# KiCad board Smart LED WS2812B Ring7.kicad_pcb (continued)
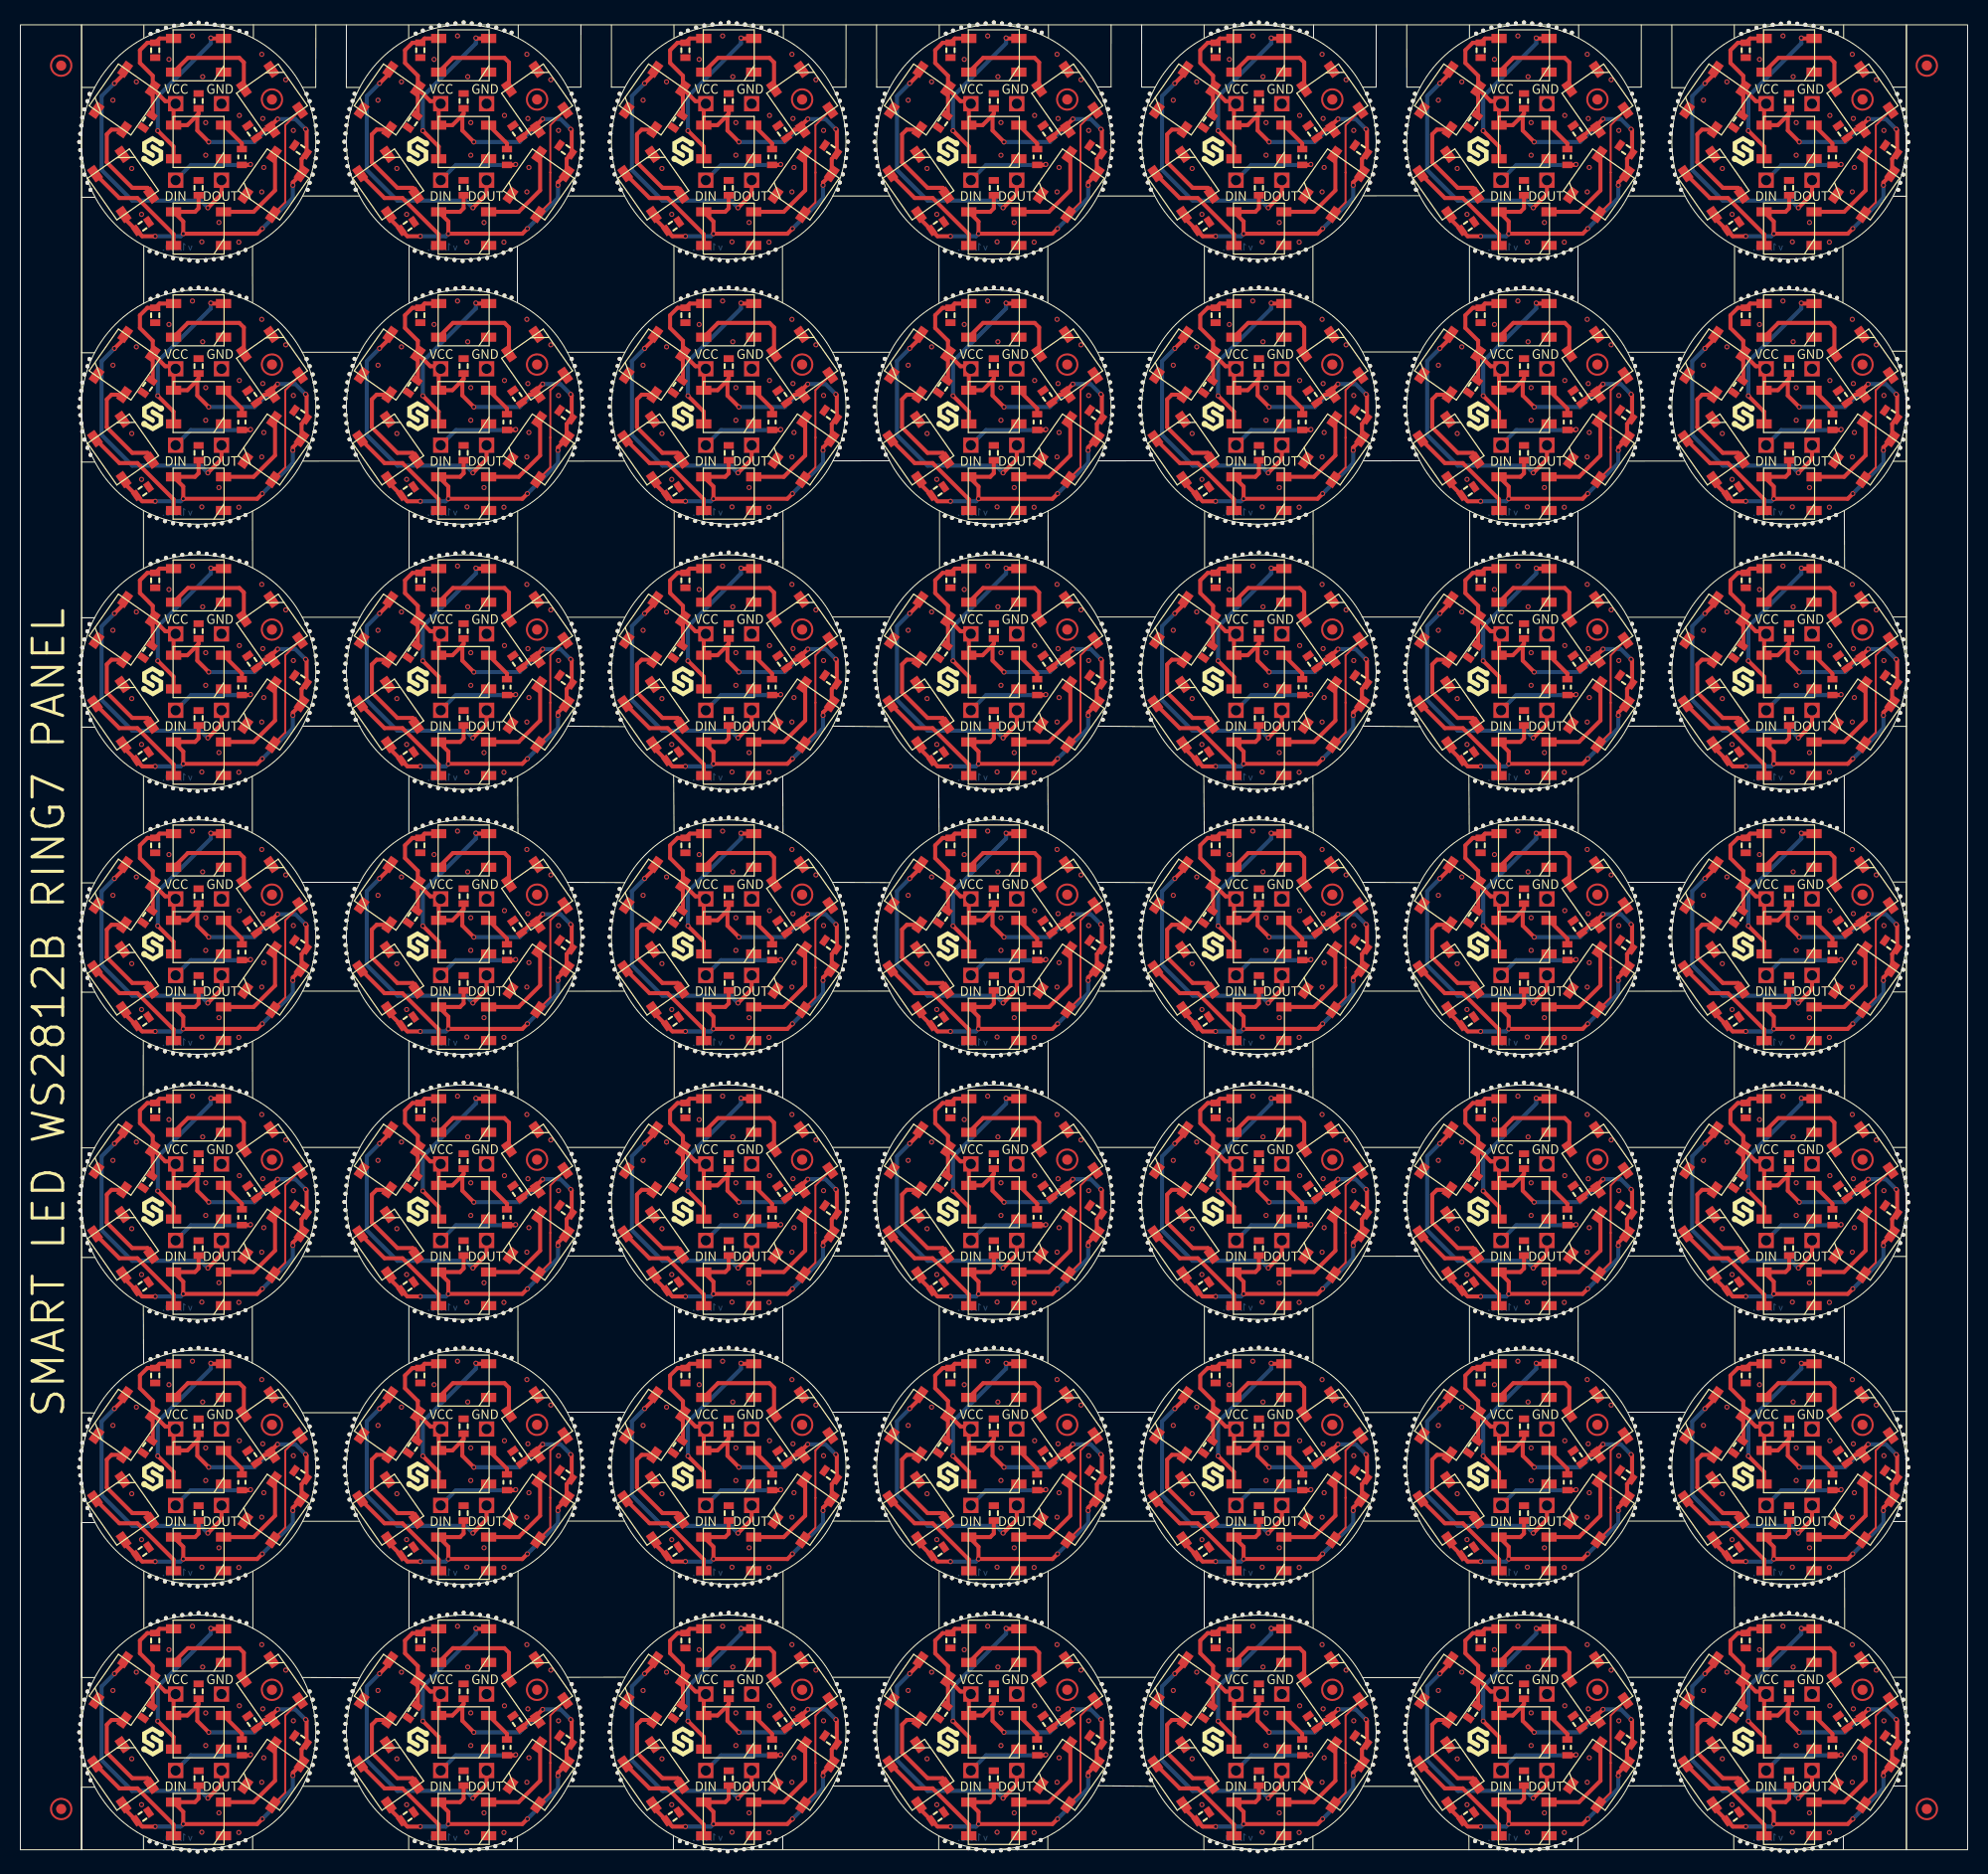
[diagram p0: board, top side]
## Placement (name value [footprint] x y rotation side) (continued)
kibuzzard-65157813#29  G***  [kibuzzard-65157813]  90.28 119.23 180 bottom
kibuzzard-65157813#30  G***  [kibuzzard-65157813]  12.28 67.23 180 bottom
kibuzzard-65157813#31  G***  [kibuzzard-65157813]  38.28 15.23 180 bottom
kibuzzard-65157813#32  G***  [kibuzzard-65157813]  168.28 119.23 180 bottom
kibuzzard-65157813#33  G***  [kibuzzard-65157813]  116.28 67.23 180 bottom
kibuzzard-65157813#34  G***  [kibuzzard-65157813]  12.28 171.23 180 bottom
kibuzzard-65157813#35  G***  [kibuzzard-65157813]  90.28 41.23 180 bottom
kibuzzard-65157813#36  G***  [kibuzzard-65157813]  38.28 41.23 180 bottom
kibuzzard-65157813#37  G***  [kibuzzard-65157813]  64.28 119.23 180 bottom
kibuzzard-65157813#38  G***  [kibuzzard-65157813]  116.28 41.23 180 bottom
kibuzzard-65157813#39  G***  [kibuzzard-65157813]  64.28 41.23 180 bottom
kibuzzard-65157813#40  G***  [kibuzzard-65157813]  168.28 145.23 180 bottom
kibuzzard-65157813#41  G***  [kibuzzard-65157813]  168.28 41.23 180 bottom
kibuzzard-65157813#42  G***  [kibuzzard-65157813]  38.28 171.23 180 bottom
kibuzzard-65157813#43  G***  [kibuzzard-65157813]  168.28 67.23 180 bottom
kibuzzard-65157813#44  G***  [kibuzzard-65157813]  116.28 93.23 180 bottom
kibuzzard-65157813#45  G***  [kibuzzard-65157813]  38.28 119.23 180 bottom
kibuzzard-65157813#46  G***  [kibuzzard-65157813]  12.28 15.23 180 bottom
kibuzzard-65157813#47  G***  [kibuzzard-65157813]  64.28 15.23 180 bottom
kibuzzard-65157813#48  G***  [kibuzzard-65157813]  168.28 93.23 180 bottom
kibuzzard-65157813#49  G***  [kibuzzard-65157813]  38.28 67.23 180 bottom
kibuzzard-65157826  G***  [kibuzzard-65157826]  64.38 33.83 180 bottom
kibuzzard-65157826#2  G***  [kibuzzard-65157826]  12.38 59.83 180 bottom
kibuzzard-65157826#3  G***  [kibuzzard-65157826]  142.38 137.83 180 bottom
kibuzzard-65157826#4  G***  [kibuzzard-65157826]  116.38 7.83 180 bottom
kibuzzard-65157826#5  G***  [kibuzzard-65157826]  64.38 59.83 180 bottom
kibuzzard-65157826#6  G***  [kibuzzard-65157826]  116.38 59.83 180 bottom
kibuzzard-65157826#7  G***  [kibuzzard-65157826]  90.38 7.83 180 bottom
kibuzzard-65157826#8  G***  [kibuzzard-65157826]  64.38 111.83 180 bottom
kibuzzard-65157826#9  G***  [kibuzzard-65157826]  90.38 59.83 180 bottom
kibuzzard-65157826#10  G***  [kibuzzard-65157826]  90.38 137.83 180 bottom
kibuzzard-65157826#11  G***  [kibuzzard-65157826]  90.38 85.83 180 bottom
kibuzzard-65157826#12  G***  [kibuzzard-65157826]  142.38 33.83 180 bottom
kibuzzard-65157826#13  G***  [kibuzzard-65157826]  168.38 33.83 180 bottom
kibuzzard-65157826#14  G***  [kibuzzard-65157826]  116.38 111.83 180 bottom
kibuzzard-65157826#15  G***  [kibuzzard-65157826]  168.38 163.83 180 bottom
kibuzzard-65157826#16  G***  [kibuzzard-65157826]  142.38 7.83 180 bottom
kibuzzard-65157826#17  G***  [kibuzzard-65157826]  142.38 59.83 180 bottom
kibuzzard-65157826#18  G***  [kibuzzard-65157826]  12.38 85.83 180 bottom
kibuzzard-65157826#19  G***  [kibuzzard-65157826]  90.38 111.83 180 bottom
kibuzzard-65157826#20  G***  [kibuzzard-65157826]  168.38 85.83 180 bottom
kibuzzard-65157826#21  G***  [kibuzzard-65157826]  38.38 163.83 180 bottom
kibuzzard-65157826#22  G***  [kibuzzard-65157826]  142.38 163.83 180 bottom
kibuzzard-65157826#23  G***  [kibuzzard-65157826]  116.38 137.83 180 bottom
kibuzzard-65157826#24  G***  [kibuzzard-65157826]  38.38 111.83 180 bottom
kibuzzard-65157826#25  G***  [kibuzzard-65157826]  38.38 59.83 180 bottom
kibuzzard-65157826#26  G***  [kibuzzard-65157826]  12.38 7.83 180 bottom
kibuzzard-65157826#27  G***  [kibuzzard-65157826]  168.38 59.83 180 bottom
kibuzzard-65157826#28  G***  [kibuzzard-65157826]  90.38 33.83 180 bottom
kibuzzard-65157826#29  G***  [kibuzzard-65157826]  116.38 85.83 180 bottom
kibuzzard-65157826#30  G***  [kibuzzard-65157826]  90.38 163.83 180 bottom
kibuzzard-65157826#31  G***  [kibuzzard-65157826]  142.38 111.83 180 bottom
kibuzzard-65157826#32  G***  [kibuzzard-65157826]  168.38 7.83 180 bottom
kibuzzard-65157826#33  G***  [kibuzzard-65157826]  12.38 163.83 180 bottom
kibuzzard-65157826#34  G***  [kibuzzard-65157826]  64.38 163.83 180 bottom
kibuzzard-65157826#35  G***  [kibuzzard-65157826]  64.38 137.83 180 bottom
kibuzzard-65157826#36  G***  [kibuzzard-65157826]  168.38 137.83 180 bottom
kibuzzard-65157826#37  G***  [kibuzzard-65157826]  168.38 111.83 180 bottom
kibuzzard-65157826#38  G***  [kibuzzard-65157826]  64.38 85.83 180 bottom
kibuzzard-65157826#39  G***  [kibuzzard-65157826]  38.38 7.83 180 bottom
kibuzzard-65157826#40  G***  [kibuzzard-65157826]  38.38 33.83 180 bottom
kibuzzard-65157826#41  G***  [kibuzzard-65157826]  12.38 137.83 180 bottom
kibuzzard-65157826#42  G***  [kibuzzard-65157826]  116.38 163.83 180 bottom
kibuzzard-65157826#43  G***  [kibuzzard-65157826]  142.38 85.83 180 bottom
kibuzzard-65157826#44  G***  [kibuzzard-65157826]  116.38 33.83 180 bottom
kibuzzard-65157826#45  G***  [kibuzzard-65157826]  12.38 33.83 180 bottom
kibuzzard-65157826#46  G***  [kibuzzard-65157826]  12.38 111.83 180 bottom
kibuzzard-65157826#47  G***  [kibuzzard-65157826]  38.38 85.83 180 bottom
kibuzzard-65157826#48  G***  [kibuzzard-65157826]  64.38 7.83 180 bottom
kibuzzard-65157826#49  G***  [kibuzzard-65157826]  38.38 137.83 180 bottom
kibuzzard-65157840  G***  [kibuzzard-65157840]  153.47 111.83 180 bottom
kibuzzard-65157840#2  G***  [kibuzzard-65157840]  49.47 33.83 180 bottom
kibuzzard-65157840#3  G***  [kibuzzard-65157840]  101.47 7.83 180 bottom
kibuzzard-65157840#4  G***  [kibuzzard-65157840]  23.47 33.83 180 bottom
kibuzzard-65157840#5  G***  [kibuzzard-65157840]  49.47 111.83 180 bottom
kibuzzard-65157840#6  G***  [kibuzzard-65157840]  23.47 137.83 180 bottom
kibuzzard-65157840#7  G***  [kibuzzard-65157840]  75.47 111.83 180 bottom
kibuzzard-65157840#8  G***  [kibuzzard-65157840]  179.47 59.83 180 bottom
kibuzzard-65157840#9  G***  [kibuzzard-65157840]  75.47 163.83 180 bottom
kibuzzard-65157840#10  G***  [kibuzzard-65157840]  101.47 85.83 180 bottom
kibuzzard-65157840#11  G***  [kibuzzard-65157840]  153.47 85.83 180 bottom
kibuzzard-65157840#12  G***  [kibuzzard-65157840]  75.47 137.83 180 bottom
kibuzzard-65157840#13  G***  [kibuzzard-65157840]  49.47 7.83 180 bottom
kibuzzard-65157840#14  G***  [kibuzzard-65157840]  23.47 163.83 180 bottom
kibuzzard-65157840#15  G***  [kibuzzard-65157840]  23.47 111.83 180 bottom
kibuzzard-65157840#16  G***  [kibuzzard-65157840]  153.47 163.83 180 bottom
kibuzzard-65157840#17  G***  [kibuzzard-65157840]  179.47 111.83 180 bottom
kibuzzard-65157840#18  G***  [kibuzzard-65157840]  75.47 7.83 180 bottom
kibuzzard-65157840#19  G***  [kibuzzard-65157840]  153.47 137.83 180 bottom
kibuzzard-65157840#20  G***  [kibuzzard-65157840]  179.47 163.83 180 bottom
kibuzzard-65157840#21  G***  [kibuzzard-65157840]  179.47 137.83 180 bottom
kibuzzard-65157840#22  G***  [kibuzzard-65157840]  101.47 137.83 180 bottom
kibuzzard-65157840#23  G***  [kibuzzard-65157840]  153.47 33.83 180 bottom
kibuzzard-65157840#24  G***  [kibuzzard-65157840]  127.47 137.83 180 bottom
kibuzzard-65157840#25  G***  [kibuzzard-65157840]  153.47 7.83 180 bottom
kibuzzard-65157840#26  G***  [kibuzzard-65157840]  75.47 59.83 180 bottom
kibuzzard-65157840#27  G***  [kibuzzard-65157840]  75.47 33.83 180 bottom
kibuzzard-65157840#28  G***  [kibuzzard-65157840]  101.47 33.83 180 bottom
kibuzzard-65157840#29  G***  [kibuzzard-65157840]  153.47 59.83 180 bottom
kibuzzard-65157840#30  G***  [kibuzzard-65157840]  127.47 33.83 180 bottom
kibuzzard-65157840#31  G***  [kibuzzard-65157840]  179.47 7.83 180 bottom
kibuzzard-65157840#32  G***  [kibuzzard-65157840]  49.47 137.83 180 bottom
kibuzzard-65157840#33  G***  [kibuzzard-65157840]  49.47 85.83 180 bottom
kibuzzard-65157840#34  G***  [kibuzzard-65157840]  101.47 59.83 180 bottom
kibuzzard-65157840#35  G***  [kibuzzard-65157840]  75.47 85.83 180 bottom
kibuzzard-65157840#36  G***  [kibuzzard-65157840]  127.47 163.83 180 bottom
kibuzzard-65157840#37  G***  [kibuzzard-65157840]  101.47 111.83 180 bottom
kibuzzard-65157840#38  G***  [kibuzzard-65157840]  127.47 85.83 180 bottom
kibuzzard-65157840#39  G***  [kibuzzard-65157840]  23.47 85.83 180 bottom
kibuzzard-65157840#40  G***  [kibuzzard-65157840]  127.47 7.83 180 bottom
kibuzzard-65157840#41  G***  [kibuzzard-65157840]  179.47 33.83 180 bottom
kibuzzard-65157840#42  G***  [kibuzzard-65157840]  179.47 85.83 180 bottom
kibuzzard-65157840#43  G***  [kibuzzard-65157840]  23.47 59.83 180 bottom
kibuzzard-65157840#44  G***  [kibuzzard-65157840]  49.47 163.83 180 bottom
kibuzzard-65157840#45  G***  [kibuzzard-65157840]  101.47 163.83 180 bottom
kibuzzard-65157840#46  G***  [kibuzzard-65157840]  127.47 111.83 180 bottom
kibuzzard-65157840#47  G***  [kibuzzard-65157840]  127.47 59.83 180 bottom
kibuzzard-65157840#48  G***  [kibuzzard-65157840]  49.47 59.83 180 bottom
kibuzzard-65157840#49  G***  [kibuzzard-65157840]  23.47 7.83 180 bottom
LED1  WS2812B  [WS2812B LED#3]  17.47 37.53 0 top
LED1#2  WS2812B  [WS2812B LED#3]  69.47 63.53 0 top
LED1#3  WS2812B  [WS2812B LED#3]  147.47 37.53 0 top
LED1#4  WS2812B  [WS2812B LED#3]  173.47 167.53 0 top
LED1#5  WS2812B  [WS2812B LED#3]  69.47 167.53 0 top
LED1#6  WS2812B  [WS2812B LED#3]  17.47 11.53 0 top
LED1#7  WS2812B  [WS2812B LED#3]  173.47 89.53 0 top
LED1#8  WS2812B  [WS2812B LED#3]  17.47 167.53 0 top
LED1#9  WS2812B  [WS2812B LED#3]  69.47 115.53 0 top
LED1#10  WS2812B  [WS2812B LED#3]  69.47 37.53 0 top
LED1#11  WS2812B  [WS2812B LED#3]  121.47 37.53 0 top
LED1#12  WS2812B  [WS2812B LED#3]  173.47 115.53 0 top
LED1#13  WS2812B  [WS2812B LED#3]  43.47 63.53 0 top
LED1#14  WS2812B  [WS2812B LED#3]  95.47 37.53 0 top
LED1#15  WS2812B  [WS2812B LED#3]  173.47 11.53 0 top
LED1#16  WS2812B  [WS2812B LED#3]  95.47 89.53 0 top
LED1#17  WS2812B  [WS2812B LED#3]  147.47 11.53 0 top
LED1#18  WS2812B  [WS2812B LED#3]  147.47 115.53 0 top
LED1#19  WS2812B  [WS2812B LED#3]  147.47 89.53 0 top
LED1#20  WS2812B  [WS2812B LED#3]  95.47 63.53 0 top
LED1#21  WS2812B  [WS2812B LED#3]  43.47 89.53 0 top
LED1#22  WS2812B  [WS2812B LED#3]  121.47 89.53 0 top
LED1#23  WS2812B  [WS2812B LED#3]  95.47 141.53 0 top
LED1#24  WS2812B  [WS2812B LED#3]  121.47 115.53 0 top
LED1#25  WS2812B  [WS2812B LED#3]  95.47 115.53 0 top
LED1#26  WS2812B  [WS2812B LED#3]  173.47 37.53 0 top
LED1#27  WS2812B  [WS2812B LED#3]  43.47 141.53 0 top
LED1#28  WS2812B  [WS2812B LED#3]  69.47 11.53 0 top
LED1#29  WS2812B  [WS2812B LED#3]  147.47 63.53 0 top
LED1#30  WS2812B  [WS2812B LED#3]  95.47 11.53 0 top
LED1#31  WS2812B  [WS2812B LED#3]  147.47 167.53 0 top
LED1#32  WS2812B  [WS2812B LED#3]  43.47 11.53 0 top
LED1#33  WS2812B  [WS2812B LED#3]  17.47 115.53 0 top
LED1#34  WS2812B  [WS2812B LED#3]  121.47 63.53 0 top
LED1#35  WS2812B  [WS2812B LED#3]  173.47 141.53 0 top
LED1#36  WS2812B  [WS2812B LED#3]  69.47 89.53 0 top
LED1#37  WS2812B  [WS2812B LED#3]  121.47 141.53 0 top
LED1#38  WS2812B  [WS2812B LED#3]  43.47 115.53 0 top
LED1#39  WS2812B  [WS2812B LED#3]  95.47 167.53 0 top
LED1#40  WS2812B  [WS2812B LED#3]  17.47 141.53 0 top
LED1#41  WS2812B  [WS2812B LED#3]  17.47 89.53 0 top
LED1#42  WS2812B  [WS2812B LED#3]  69.47 141.53 0 top
LED1#43  WS2812B  [WS2812B LED#3]  121.47 167.53 0 top
LED1#44  WS2812B  [WS2812B LED#3]  173.47 63.53 0 top
LED1#45  WS2812B  [WS2812B LED#3]  17.47 63.53 0 top
LED1#46  WS2812B  [WS2812B LED#3]  43.47 37.53 0 top
LED1#47  WS2812B  [WS2812B LED#3]  121.47 11.53 0 top
LED1#48  WS2812B  [WS2812B LED#3]  43.47 167.53 0 top
LED1#49  WS2812B  [WS2812B LED#3]  147.47 141.53 0 top
LED2  WS2812B  [WS2812B LED#3]  69.47 98.03 0 top
LED2#2  WS2812B  [WS2812B LED#3]  121.47 124.03 0 top
LED2#3  WS2812B  [WS2812B LED#3]  69.47 20.03 0 top
LED2#4  WS2812B  [WS2812B LED#3]  69.47 46.03 0 top
LED2#5  WS2812B  [WS2812B LED#3]  173.47 150.03 0 top
LED2#6  WS2812B  [WS2812B LED#3]  173.47 20.03 0 top
LED2#7  WS2812B  [WS2812B LED#3]  121.47 20.03 0 top
LED2#8  WS2812B  [WS2812B LED#3]  121.47 98.03 0 top
LED2#9  WS2812B  [WS2812B LED#3]  147.47 20.03 0 top
LED2#10  WS2812B  [WS2812B LED#3]  147.47 98.03 0 top
LED2#11  WS2812B  [WS2812B LED#3]  17.47 124.03 0 top
LED2#12  WS2812B  [WS2812B LED#3]  43.47 46.03 0 top
LED2#13  WS2812B  [WS2812B LED#3]  147.47 46.03 0 top
LED2#14  WS2812B  [WS2812B LED#3]  95.47 46.03 0 top
LED2#15  WS2812B  [WS2812B LED#3]  17.47 176.03 0 top
LED2#16  WS2812B  [WS2812B LED#3]  69.47 72.03 0 top
LED2#17  WS2812B  [WS2812B LED#3]  173.47 176.03 0 top
LED2#18  WS2812B  [WS2812B LED#3]  173.47 72.03 0 top
LED2#19  WS2812B  [WS2812B LED#3]  17.47 98.03 0 top
LED2#20  WS2812B  [WS2812B LED#3]  69.47 150.03 0 top
LED2#21  WS2812B  [WS2812B LED#3]  121.47 150.03 0 top
LED2#22  WS2812B  [WS2812B LED#3]  147.47 176.03 0 top
LED2#23  WS2812B  [WS2812B LED#3]  43.47 72.03 0 top
LED2#24  WS2812B  [WS2812B LED#3]  95.47 176.03 0 top
LED2#25  WS2812B  [WS2812B LED#3]  17.47 150.03 0 top
LED2#26  WS2812B  [WS2812B LED#3]  69.47 176.03 0 top
LED2#27  WS2812B  [WS2812B LED#3]  43.47 150.03 0 top
LED2#28  WS2812B  [WS2812B LED#3]  95.47 72.03 0 top
LED2#29  WS2812B  [WS2812B LED#3]  173.47 124.03 0 top
LED2#30  WS2812B  [WS2812B LED#3]  95.47 20.03 0 top
LED2#31  WS2812B  [WS2812B LED#3]  95.47 98.03 0 top
LED2#32  WS2812B  [WS2812B LED#3]  43.47 124.03 0 top
LED2#33  WS2812B  [WS2812B LED#3]  147.47 72.03 0 top
LED2#34  WS2812B  [WS2812B LED#3]  121.47 72.03 0 top
LED2#35  WS2812B  [WS2812B LED#3]  147.47 150.03 0 top
LED2#36  WS2812B  [WS2812B LED#3]  173.47 46.03 0 top
LED2#37  WS2812B  [WS2812B LED#3]  43.47 98.03 0 top
LED2#38  WS2812B  [WS2812B LED#3]  121.47 176.03 0 top
LED2#39  WS2812B  [WS2812B LED#3]  17.47 72.03 0 top
LED2#40  WS2812B  [WS2812B LED#3]  43.47 176.03 0 top
LED2#41  WS2812B  [WS2812B LED#3]  17.47 20.03 0 top
LED2#42  WS2812B  [WS2812B LED#3]  17.47 46.03 0 top
LED2#43  WS2812B  [WS2812B LED#3]  121.47 46.03 0 top
LED2#44  WS2812B  [WS2812B LED#3]  43.47 20.03 0 top
LED2#45  WS2812B  [WS2812B LED#3]  95.47 150.03 0 top
LED2#46  WS2812B  [WS2812B LED#3]  69.47 124.03 0 top
LED2#47  WS2812B  [WS2812B LED#3]  95.47 124.03 0 top
LED2#48  WS2812B  [WS2812B LED#3]  147.47 124.03 0 top
LED2#49  WS2812B  [WS2812B LED#3]  173.47 98.03 0 top
LED3  WS2812B  [WS2812B LED]  50.67 93.7 125 top
LED3#2  WS2812B  [WS2812B LED]  24.67 145.7 125 top
LED3#3  WS2812B  [WS2812B LED]  154.68 67.7 125 top
LED3#4  WS2812B  [WS2812B LED]  128.68 145.7 125 top
LED3#5  WS2812B  [WS2812B LED]  24.67 119.7 125 top
LED3#6  WS2812B  [WS2812B LED]  180.68 171.7 125 top
LED3#7  WS2812B  [WS2812B LED]  50.67 67.7 125 top
LED3#8  WS2812B  [WS2812B LED]  180.68 93.7 125 top
LED3#9  WS2812B  [WS2812B LED]  50.67 119.7 125 top
LED3#10  WS2812B  [WS2812B LED]  76.68 145.7 125 top
LED3#11  WS2812B  [WS2812B LED]  128.68 171.7 125 top
LED3#12  WS2812B  [WS2812B LED]  154.68 15.7 125 top
LED3#13  WS2812B  [WS2812B LED]  154.68 171.7 125 top
LED3#14  WS2812B  [WS2812B LED]  180.68 119.7 125 top
LED3#15  WS2812B  [WS2812B LED]  50.67 145.7 125 top
LED3#16  WS2812B  [WS2812B LED]  50.67 15.7 125 top
LED3#17  WS2812B  [WS2812B LED]  102.68 41.7 125 top
LED3#18  WS2812B  [WS2812B LED]  102.68 119.7 125 top
LED3#19  WS2812B  [WS2812B LED]  180.68 145.7 125 top
LED3#20  WS2812B  [WS2812B LED]  128.68 119.7 125 top
LED3#21  WS2812B  [WS2812B LED]  102.68 15.7 125 top
LED3#22  WS2812B  [WS2812B LED]  24.67 15.7 125 top
LED3#23  WS2812B  [WS2812B LED]  128.68 41.7 125 top
LED3#24  WS2812B  [WS2812B LED]  154.68 119.7 125 top
LED3#25  WS2812B  [WS2812B LED]  128.68 15.7 125 top
LED3#26  WS2812B  [WS2812B LED]  154.68 145.7 125 top
LED3#27  WS2812B  [WS2812B LED]  102.68 93.7 125 top
LED3#28  WS2812B  [WS2812B LED]  24.67 171.7 125 top
LED3#29  WS2812B  [WS2812B LED]  24.67 41.7 125 top
LED3#30  WS2812B  [WS2812B LED]  180.68 41.7 125 top
LED3#31  WS2812B  [WS2812B LED]  128.68 93.7 125 top
LED3#32  WS2812B  [WS2812B LED]  154.68 93.7 125 top
LED3#33  WS2812B  [WS2812B LED]  102.68 145.7 125 top
LED3#34  WS2812B  [WS2812B LED]  50.67 41.7 125 top
LED3#35  WS2812B  [WS2812B LED]  128.68 67.7 125 top
LED3#36  WS2812B  [WS2812B LED]  50.67 171.7 125 top
LED3#37  WS2812B  [WS2812B LED]  154.68 41.7 125 top
LED3#38  WS2812B  [WS2812B LED]  76.68 171.7 125 top
LED3#39  WS2812B  [WS2812B LED]  180.68 15.7 125 top
LED3#40  WS2812B  [WS2812B LED]  76.68 93.7 125 top
LED3#41  WS2812B  [WS2812B LED]  76.68 67.7 125 top
LED3#42  WS2812B  [WS2812B LED]  180.68 67.7 125 top
LED3#43  WS2812B  [WS2812B LED]  76.68 119.7 125 top
LED3#44  WS2812B  [WS2812B LED]  76.68 41.7 125 top
LED3#45  WS2812B  [WS2812B LED]  102.68 171.7 125 top
LED3#46  WS2812B  [WS2812B LED]  24.67 67.7 125 top
LED3#47  WS2812B  [WS2812B LED]  76.68 15.7 125 top
LED3#48  WS2812B  [WS2812B LED]  102.68 67.7 125 top
LED3#49  WS2812B  [WS2812B LED]  24.67 93.7 125 top
LED4  WS2812B  [WS2812B LED#2]  128.82 33.37 235 top
LED4#2  WS2812B  [WS2812B LED#2]  24.83 59.37 235 top
LED4#3  WS2812B  [WS2812B LED#2]  154.82 137.37 235 top
LED4#4  WS2812B  [WS2812B LED#2]  76.82 137.37 235 top
LED4#5  WS2812B  [WS2812B LED#2]  128.82 85.37 235 top
LED4#6  WS2812B  [WS2812B LED#2]  154.82 33.37 235 top
LED4#7  WS2812B  [WS2812B LED#2]  102.82 59.37 235 top
LED4#8  WS2812B  [WS2812B LED#2]  128.82 111.37 235 top
LED4#9  WS2812B  [WS2812B LED#2]  50.83 59.37 235 top
LED4#10  WS2812B  [WS2812B LED#2]  24.83 111.37 235 top
LED4#11  WS2812B  [WS2812B LED#2]  154.82 7.37 235 top
LED4#12  WS2812B  [WS2812B LED#2]  180.82 163.37 235 top
LED4#13  WS2812B  [WS2812B LED#2]  50.83 163.37 235 top
LED4#14  WS2812B  [WS2812B LED#2]  180.82 111.37 235 top
LED4#15  WS2812B  [WS2812B LED#2]  180.82 33.37 235 top
LED4#16  WS2812B  [WS2812B LED#2]  102.82 111.37 235 top
LED4#17  WS2812B  [WS2812B LED#2]  24.83 85.37 235 top
LED4#18  WS2812B  [WS2812B LED#2]  102.82 33.37 235 top
LED4#19  WS2812B  [WS2812B LED#2]  154.82 111.37 235 top
LED4#20  WS2812B  [WS2812B LED#2]  76.82 33.37 235 top
LED4#21  WS2812B  [WS2812B LED#2]  76.82 111.37 235 top
LED4#22  WS2812B  [WS2812B LED#2]  24.83 137.37 235 top
LED4#23  WS2812B  [WS2812B LED#2]  128.82 163.37 235 top
LED4#24  WS2812B  [WS2812B LED#2]  102.82 7.37 235 top
LED4#25  WS2812B  [WS2812B LED#2]  50.83 7.37 235 top
LED4#26  WS2812B  [WS2812B LED#2]  50.83 85.37 235 top
LED4#27  WS2812B  [WS2812B LED#2]  76.82 7.37 235 top
LED4#28  WS2812B  [WS2812B LED#2]  24.83 163.37 235 top
LED4#29  WS2812B  [WS2812B LED#2]  102.82 85.37 235 top
LED4#30  WS2812B  [WS2812B LED#2]  154.82 85.37 235 top
LED4#31  WS2812B  [WS2812B LED#2]  50.83 137.37 235 top
LED4#32  WS2812B  [WS2812B LED#2]  102.82 163.37 235 top
LED4#33  WS2812B  [WS2812B LED#2]  50.83 111.37 235 top
LED4#34  WS2812B  [WS2812B LED#2]  154.82 59.37 235 top
LED4#35  WS2812B  [WS2812B LED#2]  128.82 7.37 235 top
LED4#36  WS2812B  [WS2812B LED#2]  180.82 137.37 235 top
LED4#37  WS2812B  [WS2812B LED#2]  102.82 137.37 235 top
LED4#38  WS2812B  [WS2812B LED#2]  180.82 7.37 235 top
LED4#39  WS2812B  [WS2812B LED#2]  50.83 33.37 235 top
LED4#40  WS2812B  [WS2812B LED#2]  154.82 163.37 235 top
LED4#41  WS2812B  [WS2812B LED#2]  128.82 59.37 235 top
LED4#42  WS2812B  [WS2812B LED#2]  128.82 137.37 235 top
LED4#43  WS2812B  [WS2812B LED#2]  76.82 59.37 235 top
LED4#44  WS2812B  [WS2812B LED#2]  24.83 33.37 235 top
LED4#45  WS2812B  [WS2812B LED#2]  76.82 85.37 235 top
LED4#46  WS2812B  [WS2812B LED#2]  24.83 7.37 235 top
LED4#47  WS2812B  [WS2812B LED#2]  180.82 85.37 235 top
LED4#48  WS2812B  [WS2812B LED#2]  76.82 163.37 235 top
LED4#49  WS2812B  [WS2812B LED#2]  180.82 59.37 235 top
LED5  WS2812B  [WS2812B LED#3]  173.47 133.03 0 top
LED5#2  WS2812B  [WS2812B LED#3]  43.47 107.03 0 top
LED5#3  WS2812B  [WS2812B LED#3]  95.47 159.03 0 top
LED5#4  WS2812B  [WS2812B LED#3]  95.47 81.03 0 top
LED5#5  WS2812B  [WS2812B LED#3]  121.47 3.03 0 top
LED5#6  WS2812B  [WS2812B LED#3]  147.47 29.03 0 top
LED5#7  WS2812B  [WS2812B LED#3]  147.47 107.03 0 top
LED5#8  WS2812B  [WS2812B LED#3]  121.47 29.03 0 top
LED5#9  WS2812B  [WS2812B LED#3]  95.47 133.03 0 top
LED5#10  WS2812B  [WS2812B LED#3]  69.47 3.03 0 top
LED5#11  WS2812B  [WS2812B LED#3]  121.47 159.03 0 top
LED5#12  WS2812B  [WS2812B LED#3]  173.47 3.03 0 top
LED5#13  WS2812B  [WS2812B LED#3]  69.47 159.03 0 top
LED5#14  WS2812B  [WS2812B LED#3]  95.47 3.03 0 top
LED5#15  WS2812B  [WS2812B LED#3]  17.47 3.03 0 top
LED5#16  WS2812B  [WS2812B LED#3]  17.47 29.03 0 top
LED5#17  WS2812B  [WS2812B LED#3]  69.47 29.03 0 top
LED5#18  WS2812B  [WS2812B LED#3]  17.47 133.03 0 top
LED5#19  WS2812B  [WS2812B LED#3]  43.47 159.03 0 top
LED5#20  WS2812B  [WS2812B LED#3]  17.47 55.03 0 top
LED5#21  WS2812B  [WS2812B LED#3]  95.47 55.03 0 top
LED5#22  WS2812B  [WS2812B LED#3]  173.47 81.03 0 top
LED5#23  WS2812B  [WS2812B LED#3]  43.47 29.03 0 top
LED5#24  WS2812B  [WS2812B LED#3]  121.47 107.03 0 top
LED5#25  WS2812B  [WS2812B LED#3]  69.47 81.03 0 top
LED5#26  WS2812B  [WS2812B LED#3]  95.47 107.03 0 top
LED5#27  WS2812B  [WS2812B LED#3]  173.47 107.03 0 top
LED5#28  WS2812B  [WS2812B LED#3]  173.47 29.03 0 top
LED5#29  WS2812B  [WS2812B LED#3]  147.47 133.03 0 top
LED5#30  WS2812B  [WS2812B LED#3]  43.47 3.03 0 top
LED5#31  WS2812B  [WS2812B LED#3]  121.47 55.03 0 top
LED5#32  WS2812B  [WS2812B LED#3]  121.47 81.03 0 top
LED5#33  WS2812B  [WS2812B LED#3]  147.47 81.03 0 top
LED5#34  WS2812B  [WS2812B LED#3]  43.47 133.03 0 top
LED5#35  WS2812B  [WS2812B LED#3]  17.47 159.03 0 top
LED5#36  WS2812B  [WS2812B LED#3]  69.47 55.03 0 top
LED5#37  WS2812B  [WS2812B LED#3]  17.47 81.03 0 top
LED5#38  WS2812B  [WS2812B LED#3]  173.47 159.03 0 top
LED5#39  WS2812B  [WS2812B LED#3]  43.47 81.03 0 top
LED5#40  WS2812B  [WS2812B LED#3]  43.47 55.03 0 top
LED5#41  WS2812B  [WS2812B LED#3]  173.47 55.03 0 top
LED5#42  WS2812B  [WS2812B LED#3]  95.47 29.03 0 top
LED5#43  WS2812B  [WS2812B LED#3]  69.47 107.03 0 top
LED5#44  WS2812B  [WS2812B LED#3]  147.47 55.03 0 top
LED5#45  WS2812B  [WS2812B LED#3]  69.47 133.03 0 top
LED5#46  WS2812B  [WS2812B LED#3]  147.47 159.03 0 top
LED5#47  WS2812B  [WS2812B LED#3]  147.47 3.03 0 top
LED5#48  WS2812B  [WS2812B LED#3]  121.47 133.03 0 top
LED5#49  WS2812B  [WS2812B LED#3]  17.47 107.03 0 top
LED6  WS2812B  [WS2812B LED]  166.07 7.37 125 top
LED6#2  WS2812B  [WS2812B LED]  62.07 163.37 125 top
LED6#3  WS2812B  [WS2812B LED]  62.07 59.37 125 top
LED6#4  WS2812B  [WS2812B LED]  114.07 137.37 125 top
LED6#5  WS2812B  [WS2812B LED]  10.08 7.37 125 top
LED6#6  WS2812B  [WS2812B LED]  114.07 59.37 125 top
LED6#7  WS2812B  [WS2812B LED]  88.07 59.37 125 top
LED6#8  WS2812B  [WS2812B LED]  140.07 85.37 125 top
LED6#9  WS2812B  [WS2812B LED]  166.07 137.37 125 top
LED6#10  WS2812B  [WS2812B LED]  140.07 33.37 125 top
LED6#11  WS2812B  [WS2812B LED]  140.07 111.37 125 top
LED6#12  WS2812B  [WS2812B LED]  166.07 59.37 125 top
LED6#13  WS2812B  [WS2812B LED]  36.08 33.37 125 top
LED6#14  WS2812B  [WS2812B LED]  10.08 137.37 125 top
LED6#15  WS2812B  [WS2812B LED]  114.07 33.37 125 top
LED6#16  WS2812B  [WS2812B LED]  166.07 111.37 125 top
LED6#17  WS2812B  [WS2812B LED]  166.07 33.37 125 top
LED6#18  WS2812B  [WS2812B LED]  88.07 85.37 125 top
LED6#19  WS2812B  [WS2812B LED]  10.08 85.37 125 top
LED6#20  WS2812B  [WS2812B LED]  166.07 163.37 125 top
LED6#21  WS2812B  [WS2812B LED]  166.07 85.37 125 top
LED6#22  WS2812B  [WS2812B LED]  36.08 85.37 125 top
LED6#23  WS2812B  [WS2812B LED]  114.07 85.37 125 top
LED6#24  WS2812B  [WS2812B LED]  88.07 33.37 125 top
LED6#25  WS2812B  [WS2812B LED]  88.07 7.37 125 top
LED6#26  WS2812B  [WS2812B LED]  10.08 59.37 125 top
LED6#27  WS2812B  [WS2812B LED]  10.08 33.37 125 top
LED6#28  WS2812B  [WS2812B LED]  140.07 137.37 125 top
LED6#29  WS2812B  [WS2812B LED]  36.08 111.37 125 top
LED6#30  WS2812B  [WS2812B LED]  114.07 163.37 125 top
LED6#31  WS2812B  [WS2812B LED]  114.07 111.37 125 top
LED6#32  WS2812B  [WS2812B LED]  62.07 111.37 125 top
LED6#33  WS2812B  [WS2812B LED]  62.07 7.37 125 top
LED6#34  WS2812B  [WS2812B LED]  62.07 33.37 125 top
LED6#35  WS2812B  [WS2812B LED]  36.08 137.37 125 top
LED6#36  WS2812B  [WS2812B LED]  10.08 111.37 125 top
LED6#37  WS2812B  [WS2812B LED]  114.07 7.37 125 top
LED6#38  WS2812B  [WS2812B LED]  36.08 163.37 125 top
LED6#39  WS2812B  [WS2812B LED]  140.07 7.37 125 top
LED6#40  WS2812B  [WS2812B LED]  88.07 111.37 125 top
LED6#41  WS2812B  [WS2812B LED]  140.07 59.37 125 top
LED6#42  WS2812B  [WS2812B LED]  140.07 163.37 125 top
LED6#43  WS2812B  [WS2812B LED]  10.08 163.37 125 top
LED6#44  WS2812B  [WS2812B LED]  62.07 85.37 125 top
LED6#45  WS2812B  [WS2812B LED]  62.07 137.37 125 top
LED6#46  WS2812B  [WS2812B LED]  88.07 163.37 125 top
LED6#47  WS2812B  [WS2812B LED]  88.07 137.37 125 top
LED6#48  WS2812B  [WS2812B LED]  36.08 7.37 125 top
LED6#49  WS2812B  [WS2812B LED]  36.08 59.37 125 top
LED7  WS2812B  [WS2812B LED#2]  114.22 171.7 235 top
LED7#2  WS2812B  [WS2812B LED#2]  166.22 41.7 235 top
LED7#3  WS2812B  [WS2812B LED#2]  140.22 67.7 235 top
LED7#4  WS2812B  [WS2812B LED#2]  88.22 171.7 235 top